# Altium PCB SysUprTestUUUp.PcbDoc (part 1 of 4) (continued)
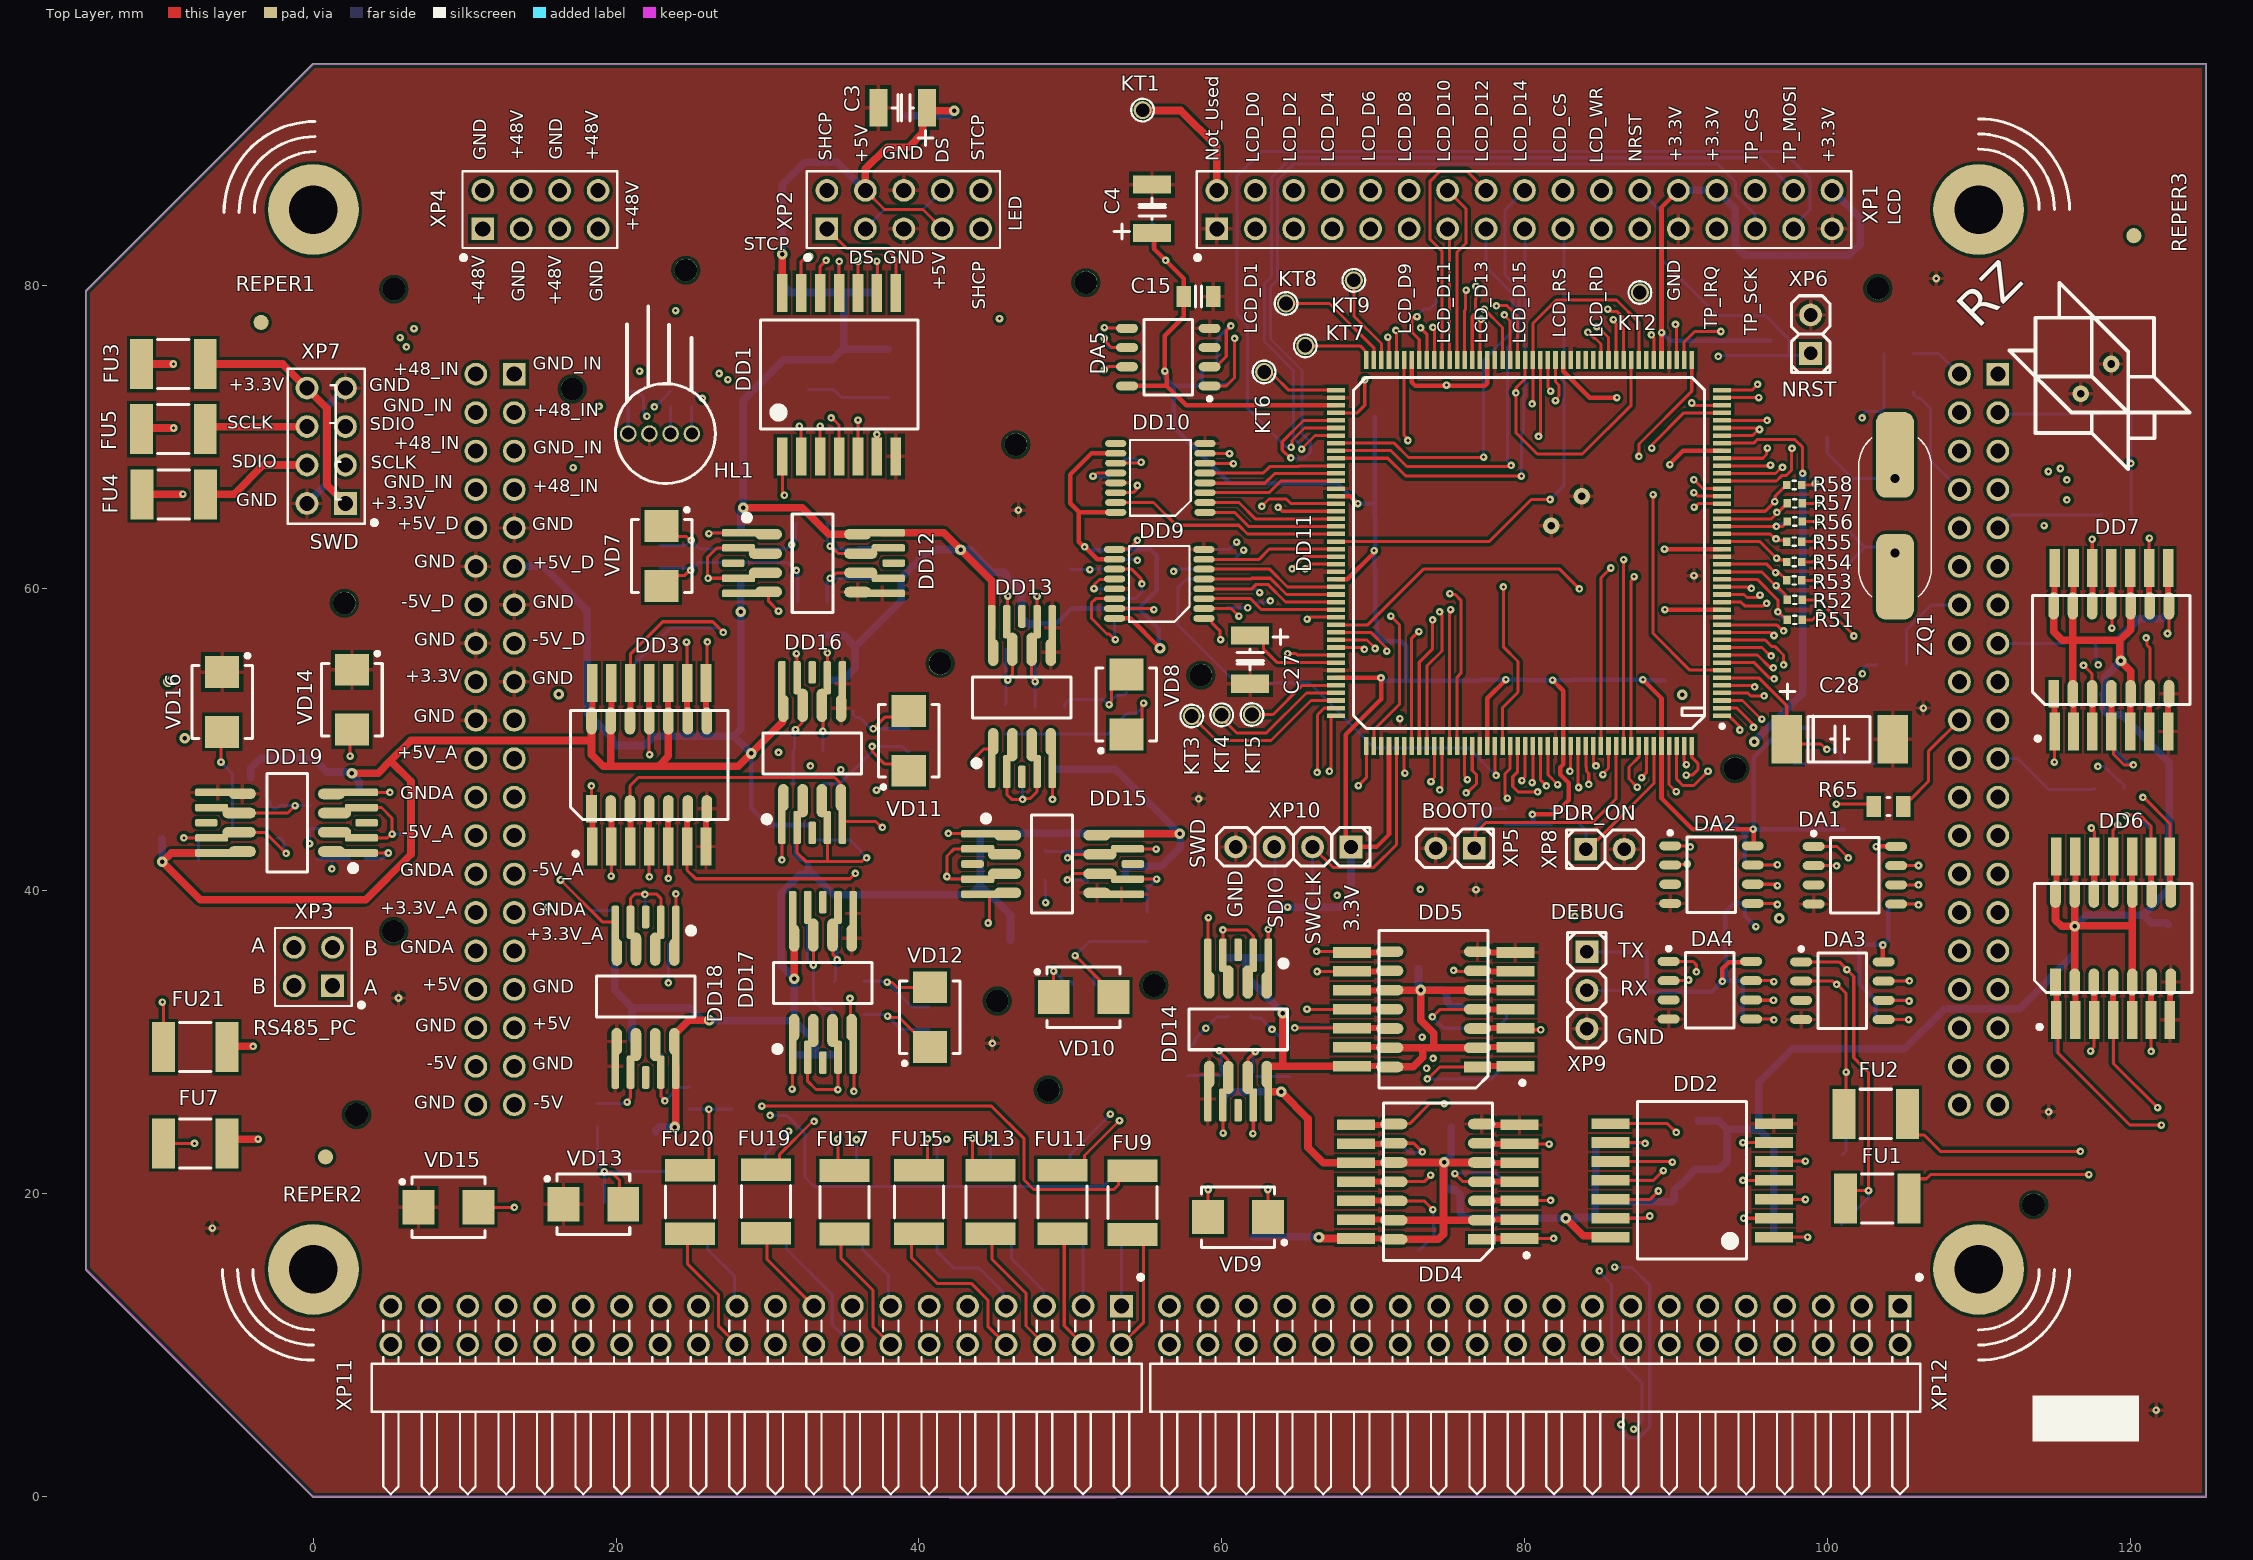
[diagram p0: Top Layer view]
## Components (designator, comment, footprint, x,y, rotation, side; value= is the part's Value field where it differs from the comment) (continued)
FU4 "Predoxranitel" MF-MSMF_1 -9.225,66.192 r0 top
FU5 "Predoxranitel" MF-MSMF_1 -9.25,70.496 r0 top
FU6 "Predoxranitel" MF-MSMF_1 24.875,19.479 r270 bottom
FU7 "Predoxranitel" MF-MSMF_1 -7.8,23.323 r0 top
FU8 "Predoxranitel" MF-MSMF_1 54.104,19.4 r270 bottom
FU9 "Predoxranitel" MF-MSMF_1 54.104,19.404 r270 top
FU10 "Predoxranitel" MF-MSMF_1 49.475,19.45 r270 bottom
FU11 "Predoxranitel" MF-MSMF_1 49.475,19.45 r270 top
FU12 "Predoxranitel" MF-MSMF_1 44.725,19.45 r270 bottom
FU13 "Predoxranitel" MF-MSMF_1 44.725,19.45 r270 top
FU14 "Predoxranitel" MF-MSMF_1 40,19.45 r270 bottom
FU15 "Predoxranitel" MF-MSMF_1 40,19.45 r270 top
FU16 "Predoxranitel" MF-MSMF_1 35.075,19.429 r270 bottom
FU17 "Predoxranitel" MF-MSMF_1 35.075,19.429 r270 top
FU18 "Predoxranitel" MF-MSMF_1 29.925,19.475 r270 bottom
FU19 "Predoxranitel" MF-MSMF_1 29.9,19.475 r270 top
FU20 "Predoxranitel" MF-MSMF_1 24.875,19.454 r270 top
FU21 "Predoxranitel" MF-MSMF_1 -7.8,29.675 r0 top
HL1 "LED-RGB_C" BL-L515 25,70.2 r180 top
KT1 "Kont" TESTPOINT 54.775,91.575 r0 top
KT2 "Kont" TESTPOINT 87.625,79.525 r90 top
KT3 "Kont" TESTPOINT 58.025,51.55 r90 top
KT4 "Kont" TESTPOINT 60,51.625 r90 top
KT5 "Kont" TESTPOINT 62,51.65 r90 top
KT6 "Kont" TESTPOINT 62.8,74.275 r90 top
KT7 "Kont" TESTPOINT 65.525,76 r90 top
KT8 "Kont" TESTPOINT 64.25,78.8 r90 top
KT9 "Kont" TESTPOINT 68.725,80.325 r90 top
R1 "Resistor0062" Res0402 104.55,41.675 r90 bottom value=1к
R2 "Resistor0062" Res0402 104.525,39.15 r90 bottom value=1к
R3 "Resistor0062" Res0402 95.05,41.7 r90 bottom value=1к
R4 "Resistor0062" Res0402 95.05,39.175 r90 bottom value=1к
R5 "Resistor0062" Res0402 104.55,40.4 r90 bottom value=1к
R6 "Resistor0062" Res0402 95.05,40.45 r90 bottom value=1к
R7 "Resistor0062" Res0402 18.425,42.45 r180 bottom value=10к
R8 "Resistor0062" Res0402 22.2,42.4 r0 bottom value=10к
R9 "Resistor0062" Res0402 37.225,80.025 r180 bottom value=10к
R10 "Resistor0062" Res0402 34.7,80.025 r180 bottom value=10к
R11 "Resistor0062" Res0402 32.225,80.025 r180 bottom value=10к
R12 "Resistor0062" Res0402 96.975,17.125 r90 bottom value=10к
R13 "Resistor0062" Res0402 96.975,19.625 r90 bottom value=10к
R14 "Resistor0062" Res0402 96.975,22.125 r90 bottom value=10к
R15 "Resistor0062" Res0402 85.2,23.45 r90 bottom value=10к
R16 "Resistor0062" Res0402 85.175,20.9 r90 bottom value=10к
R17 "Resistor0062" Res0402 85.25,18.425 r90 bottom value=10к
R18 "Resistor0062" Res0402 19.675,42.425 r0 bottom value=10к
R19 "Resistor0062" Res0402 23.5,42.425 r0 bottom value=10к
R20 "Resistor0062" Res0402 24.7,54.225 r180 bottom value=100к
R21 "Resistor0062" Res0402 20.95,54.225 r180 bottom value=100к
R22 "Resistor0062" Res0402 103.675,34.05 r90 bottom value=1к
R23 "Resistor0062" Res0402 103.675,31.5 r90 bottom value=1к
R24 "Resistor0062" Res0402 94.925,34.075 r90 bottom value=1к
R25 "Resistor0062" Res0402 94.925,31.525 r90 bottom value=1к
R26 "Resistor0062" Res0402 103.7,32.775 r90 bottom value=1к
R27 "Resistor0062" Res0402 94.925,32.8 r90 bottom value=1к
R28 "Resistor0062" Res0402 59.175,73.35 r270 bottom value=10к
R29 "Resistor0062" Res0402 59.175,74.625 r270 bottom value=10к
R30 "Resistor0062" Res0402 80.15,17.05 r90 bottom value=100к
R31 "Resistor0062" Res0402 80.125,20.825 r270 bottom value=100к
R32 "Resistor0062" Res0402 70.725,23.275 r90 bottom value=100к
R33 "Resistor0062" Res0402 72.55,16.275 r90 bottom value=100к
R34 "Resistor0062" Res0402 79.7,28.425 r270 bottom value=100к
R35 "Resistor0062" Res0402 79.3,32.175 r270 bottom value=100к
R36 "Resistor0062" Res0402 68.1,34.675 r270 bottom value=100к
R37 "Resistor0062" Res0402 68.075,30.925 r270 bottom value=100к
R38 "Resistor0062" Res0402 53.775,74.625 r270 bottom value=1к
R39 "Resistor0062" Res0402 53.775,77.175 r270 bottom value=1к
R40 "Resistor0062" Res0402 53.775,75.9 r270 bottom value=1к
R41 "Resistor0062" Res0402 115.125,30.975 r0 bottom value=100к
R42 "Resistor0062" Res0402 118.875,30.975 r0 bottom value=100к
R43 "Resistor0062" Res0402 121.375,42.775 r180 bottom value=100к
R44 "Resistor0062" Res0402 117.6,42.775 r180 bottom value=100к
R45 "Resistor0062" Res0402 115,50.025 r0 bottom value=100к
R46 "Resistor0062" Res0402 118.775,50.025 r0 bottom value=100к
R47 "Resistor0062" Res0402 121.275,61.825 r180 bottom value=100к
R48 "Resistor0062" Res0402 117.5,61.85 r180 bottom value=100к
R49 "Resistor0062" Res0402 78.775,44.925 r180 bottom value=10к
R50 "Resistor0062" Res0402 96.225,75.85 r180 bottom value=10к
R51 "Resistor0062" Res0402 97.85,57.9 r270 top value=100к
R52 "Resistor0062" Res0402 97.85,59.225 r270 top value=100к
R53 "Resistor0062" Res0402 97.827,60.509 r270 top value=100к
R54 "Resistor0062" Res0402 97.825,61.725 r270 top value=100к
R55 "Resistor0062" Res0402 97.825,63.062 r270 top value=100к
R56 "Resistor0062" Res0402 97.85,64.396 r270 top value=100к
R57 "Resistor0062" Res0402 97.85,65.6 r270 top value=100к
R58 "Resistor0062" Res0402 97.825,66.809 r270 top value=100к
R59 "Resistor0125" Res0805 104.725,75.5 r270 bottom value=120
R60 "Resistor0125" Res0805 119.075,71.5 r90 bottom value=120
R61 "Resistor0125" Res0805 104.725,73 r270 bottom value=120
R62 "Resistor0125" Res0805 119.2,64.85 r90 bottom value=120
R63 "Resistor0125" Res0805 104.25,54.975 r270 bottom value=120
R64 "Resistor0125" Res0805 116.65,56.325 r90 bottom value=120
R65 "Resistor0125" Res0805 104.05,45.575 r90 top value=120
R66 "Resistor0125" Res0805 118.625,46.75 r90 bottom value=120
R67 "Resistor0062" Res0402 97.85,57.9 r270 bottom value=10к
R68 "Resistor0062" Res0402 97.85,59.225 r270 bottom value=10к
R69 "Resistor0062" Res0402 97.825,60.521 r270 bottom value=10к
R70 "Resistor0062" Res0402 97.825,61.725 r270 bottom value=10к
R71 "Resistor0062" Res0402 97.825,63.066 r270 bottom value=10к
R72 "Resistor0062" Res0402 97.85,64.396 r270 bottom value=10к
R73 "Resistor0062" Res0402 97.85,65.6 r270 bottom value=10к
R74 "Resistor0062" Res0402 97.825,66.804 r270 bottom value=10к
R75 "Resistor0062" Res0402 50.1,60.75 r0 bottom value=10к
R76 "Resistor0062" Res0402 53.05,68.529 r270 bottom value=10к
R77 "Resistor0062" Res0402 53.05,67.325 r90 bottom value=10к
R78 "Resistor0125" Res0805 100.975,65.65 r180 bottom value=10М
R79 "Resistor0062" Res0402 81.725,44.9 r0 bottom value=10к
R80 "Resistor0062" Res0402 27.75,63.675 r90 bottom value=10к
R81 "Resistor0062" Res0402 27.725,60.65 r90 bottom value=10к
R82 "Resistor0062" Res0402 48.825,47.525 r180 bottom value=10к
R83 "Resistor0062" Res0402 46.85,47.55 r180 bottom value=10к
R84 "Resistor0062" Res0402 63.075,36.075 r0 bottom value=10к
R85 "Resistor0062" Res0402 60.075,36.075 r0 bottom value=10к
R86 "Resistor0062" Res0402 43.55,43.8 r90 bottom value=10к
R87 "Resistor0062" Res0402 43.55,40.8 r90 bottom value=10к
R88 "Resistor0062" Res0402 30.875,43.85 r180 bottom value=10к
R89 "Resistor0062" Res0402 32.825,43.85 r180 bottom value=10к
R90 "Resistor0062" Res0402 31.65,28.675 r180 bottom value=10к
R91 "Resistor0062" Res0402 34.65,28.675 r180 bottom value=10к
R92 "Resistor0062" Res0402 22.95,36.425 r270 bottom value=6,8к
R93 "Resistor0062" Res0402 -0.225,42.075 r270 bottom value=6,8к
R94 "Resistor0062" Res0402 23.6,72.5 r180 bottom value=1к
R95 "Resistor0062" Res0402 23.95,38.25 r0 bottom value=3,3к
R96 "Resistor0062" Res0402 2.9,42.121 r270 bottom value=3,3к
R97 "Resistor0062" Res0402 21.9,38.275 r0 bottom value=10к
R98 "Resistor0062" Res0402 6.125,44.25 r180 bottom value=10к
R99 "Resistor0062" Res0402 24.975,72.5 r180 bottom value=1к
R100 "Resistor0062" Res0402 20.8,72.5 r180 bottom value=1к
R101 "Resistor01" Res0603 19.9,37.95 r0 bottom value=10к
R102 "Resistor0062" Res0402 3.525,46.5 r90 bottom value=10к
R103 "Resistor0062" Res0402 23.025,29.704 r0 bottom value=10к
R104 "Resistor0062" Res0402 -7.075,42.05 r270 bottom value=10к
R105 "Resistor0062" Res0402 38.325,60.65 r90 bottom value=10к
R106 "Resistor0062" Res0402 47.775,58.125 r0 bottom value=10к
R107 "Resistor0062" Res0402 60.075,25.5 r180 bottom value=10к
R108 "Resistor0062" Res0402 54.125,40.775 r270 bottom value=10к
R109 "Resistor0062" Res0402 33.975,54.425 r0 bottom value=10к
R110 "Resistor0062" Res0402 34.65,39.25 r180 bottom value=10к
R111 "Resistor0125" Res0805 35.925,61.6 r180 bottom value=120
R112 "Resistor0125" Res0805 46.725,55.971 r270 bottom value=120
R113 "Resistor0125" Res0805 61.1,28 r90 bottom value=120
R114 "Resistor0125" Res0805 51.175,41.625 r180 bottom value=120
R115 "Resistor0125" Res0805 32.675,49.279 r270 bottom value=120
R116 "Resistor0125" Res0805 33.625,36.8 r270 bottom value=120
R117 "Resistor0062" Res0402 38.325,62.675 r90 bottom value=10к
R118 "Resistor0062" Res0402 45.775,58.125 r0 bottom value=10к
R119 "Resistor0062" Res0402 62.125,25.5 r180 bottom value=10к
R120 "Resistor0062" Res0402 54.125,42.75 r270 bottom value=10к
R121 "Resistor0062" Res0402 31.875,54.425 r0 bottom value=10к
R122 "Resistor0062" Res0402 32.625,39.25 r180 bottom value=10к
R123 "Resistor0125" Res0805 21.925,27.55 r270 bottom value=120
R124 "Resistor01" Res0603 24.825,26.325 r0 bottom value=10
R125 "Resistor0125" Res0805 -2.416,44.475 r180 bottom value=120
R126 "Resistor01" Res0603 -6.725,43.525 r90 bottom value=10
R127 "Resistor01" Res0603 18.775,25.2 r0 bottom value=10
R128 "Resistor01" Res0603 -0.175,44.875 r0 bottom value=10
R129 "Resistor0125" Res0805 32.971,59.075 r90 bottom value=22
R130 "Resistor0125" Res0805 32.925,64.3 r90 bottom value=22
R131 "Resistor0125" Res0805 48.65,52.1 r270 bottom value=22
R132 "Resistor0125" Res0805 45.675,51.325 r180 bottom value=22
R133 "Resistor0125" Res0805 57.775,28.775 r0 bottom value=22
R134 "Resistor0125" Res0805 64.475,28.725 r0 bottom value=22
R135 "Resistor0125" Res0805 55.075,37.625 r180 bottom value=22
R136 "Resistor0125" Res0805 48.325,41.675 r180 bottom value=22
R137 "Resistor0125" Res0805 34.675,51.9 r270 bottom value=22
R138 "Resistor0125" Res0805 32.675,47.075 r270 bottom value=22
R139 "Resistor0125" Res0805 35.4,34.029 r270 bottom value=22
R140 "Resistor0125" Res0805 35.4,31.825 r270 bottom value=22
R141 "Resistor0062" Res0402 21.05,29.725 r180 bottom value=10к
R142 "Resistor0062" Res0402 -3.625,47.475 r270 bottom value=10к
R143 "Resistor0062" Res0402 87.575,33.425 r270 bottom value=10к
R144 "Resistor0062" Res0402 63.525,39.425 r180 bottom value=10к
R145 "Resistor0062" Res0402 87.575,35.97 r270 bottom value=10к
R146 "Resistor0062" Res0402 66,39.425 r180 bottom value=10к
REPER1 "Comment" REPER1 -3.45,77.55 r0 top
REPER2 "Comment" REPER1 0.8,22.425 r0 top
REPER3 "Comment" REPER1 120.25,83.275 r0 top
REPER4 "Comment" REPER1 -3.45,77.55 r180 bottom
REPER5 "Comment" REPER1 0.8,22.425 r180 bottom
REPER6 "Comment" REPER1 120.25,83.275 r180 bottom
VD1 "DiodZachitnuy" "SMB_(DO-214AA) KA1-KA2" 102.925,17.966 r180 bottom value=SMBJ5.0CA
VD2 "DiodZachitnuy" "SMB_(DO-214AA) KA1-KA2" 102.95,22.571 r180 bottom value=SMBJ5.0CA
VD3 "DiodZachitnuy" "SMB_(DO-214AA) KA1-KA2" -9.1,70.6 r180 bottom value=SMBJ5.0CA
VD4 "DiodZachitnuy" "SMB_(DO-214AA) KA1-KA2" -9.075,65.996 r180 bottom value=SMBJ5.0CA
VD5 "DiodZachitnuy" "SMB_(DO-214AA) KA1-KA2" -9.125,75.204 r0 bottom value=SMBJ5.0CA
VD6 "Diod2K" "SOT23 2D706AS9" 98.8,49.575 r180 bottom
VD7 "DiodZachitnuy" "SMB_(DO-214AA) KA1-KA2" 23,62.116 r270 top value=SMBJ12.0CA
VD8 "DiodZachitnuy" "SMB_(DO-214AA) KA1-KA2" 53.7,52.308 r90 top value=SMBJ12.0CA
VD9 "DiodZachitnuy" "SMB_(DO-214AA) KA1-KA2" 61.079,18.446 r180 top value=SMBJ12.0CA
VD10 "DiodZachitnuy" "SMB_(DO-214AA) KA1-KA2" 50.875,32.975 r0 top value=SMBJ12.0CA
VD11 "DiodZachitnuy" "SMB_(DO-214AA) KA1-KA2" 39.329,49.909 r90 top value=SMBJ12.0CA
VD12 "DiodZachitnuy" "SMB_(DO-214AA) KA1-KA2" 40.729,31.654 r90 top value=SMBJ12.0CA
VD13 "DiodZachitnuy" "SMB_(DO-214AA) KA1-KA2" 18.5,19.3 r0 top value=SMBJ5.0CA
VD14 "DiodZachitnuy" "SMB_(DO-214AA) KA1-KA2" 2.55,52.625 r270 top value=SMBJ5.0CA
VD15 "DiodZachitnuy" "SMB_(DO-214AA) KA1-KA2" 8.925,19.1 r0 top value=SMBJ5.0CA
VD16 "DiodZachitnuy" "SMB_(DO-214AA) KA1-KA2" -6.025,52.475 r270 top value=SMBJ5.0CA
XP1 "ConnectorP34" PLD-34 80,85 r90 top value=34
XP2 "ConnectorP10" PLD-10 39,85 r90 top value=10
XP3 "ConnectorP4" PLD-4 0,35 r180 top value=4
XP4 "ConnectorP8" PLD-8 15,85 r90 top value=8
XP5 "ConnectorP2" PLS-2 75.418,42.815 r270 top value=2
XP6 "ConnectorP2" PLS-2 98.9,76.77 r180 top value=2
XP7 "ConnectorP8" PLD-8 0.85,69.4 r180 top value=8
XP8 "ConnectorP2" PLS-2 85.32,42.75 r90 top value=2
XP9 "ConnectorP3" PLS-3 84.125,33.43 r0 top value=3
XP10 "ConnectorP4" PLS-4 64.73,42.9 r270 top value=4
XP11 "ConnectorP40" PLD-40R 29.25,11.3 r270 top value=40
XP12 "ConnectorP40" PLD-40R 80.679,11.3 r270 top value=40
XS1 "ConnectorS40" PBD-40 12,50 r180 bottom value=40
XS2 "ConnectorS40" PBD-40 110,50 r180 bottom value=40
ZQ1 "Quartz" HC-49SM_U 104.475,64.775 r0 top value="8 МГц"

## Footprints (in the part's own frame and the unit in brackets; to place one, negate y for a bottom-side part, rotate by r counter-clockwise, add the part's x,y. Pads: shape width x height; smd on the part's side, far side on the other; paste and mask are expansions set on the pad)
401.14-5 [mm]
  rect 2.5x0.7 smd mask+0.05: 1(-5.4,3.75) 2(-5.4,2.5) 3(-5.4,1.25) 4(-5.4,0) 5(-5.4,-1.25) 6(-5.4,-2.5) 7(-5.4,-3.75) 8(5.4,-3.75) 9(5.4,-2.5) 10(5.4,-1.25) 11(5.4,0) 12(5.4,1.25) 13(5.4,2.5) 14(5.4,3.75)
  silkscreen extent -3.6,-5.2 3.6,5.2, body extent -6.65,-4.98 6.65,5.02, height 2.65
401.14-5_SO14#1 [mm]
  rect 2.5x0.7 smd: 1(-5.4,3.75) 2(-5.4,2.5) 3(-5.4,1.25) 4(-5.4,0) 5(-5.4,-1.25) 6(-5.4,-2.5) 7(-5.4,-3.75) 8(5.4,-3.75) 9(5.4,-2.5) 10(5.4,-1.25) 11(5.4,0) 12(5.4,1.25) 13(5.4,2.5) 14(5.4,3.75)
  rect 1.8x0.7 smd paste+0: 1(-2.9,3.81)
  oval 1.8x0.7 smd paste+0: 2(-2.9,2.54) 3(-2.9,1.27) 4(-2.9,0) 5(-2.9,-1.27) 6(-2.9,-2.54) 7(-2.9,-3.81) 8(2.9,-3.81) 9(2.9,-2.54) 10(2.9,-1.27) 11(2.9,0) 12(2.9,1.27) 13(2.9,2.54) 14(2.9,3.81)
  Top Layer lines w0.4: -5.4,3.75 -2.96,3.75 ; 2.96,3.75 5.4,3.75 ; -5.4,2.5 -3.424,2.5 -2.96,2.5 ; 2.96,2.5 5.4,2.5 ; -5.4,1.25 -2.96,1.25 ; 2.96,1.25 5.4,1.25 ; -5.4,0 -2.96,0 ; 2.96,0 5.4,0 ; -5.4,-1.25 -2.96,-1.25 ; 2.96,-1.25 5.4,-1.25 ; -5.4,-2.5 -2.96,-2.5 ; 2.96,-2.5 5.4,-2.5 ; -5.4,-3.75 -2.96,-3.75 ; 2.96,-3.75 5.4,-3.75
  silkscreen extent -5.99,-5.2 3.6,5.2, body extent -6.65,-4.98 6.65,5.02, height 2.65
401.14-5_SO14#2 [mm]
  rect 2.5x0.7 smd: 1(-5.4,3.75) 2(-5.4,2.5) 3(-5.4,1.25) 4(-5.4,0) 5(-5.4,-1.25) 6(-5.4,-2.5) 7(-5.4,-3.75) 8(5.4,-3.75) 9(5.4,-2.5) 10(5.4,-1.25) 11(5.4,0) 12(5.4,1.25) 13(5.4,2.5) 14(5.4,3.75)
  rect 1.8x0.7 smd paste+0: 1(-2.9,3.81)
  oval 1.8x0.7 smd paste+0: 2(-2.9,2.54) 3(-2.9,1.27) 4(-2.9,0) 5(-2.9,-1.27) 6(-2.9,-2.54) 7(-2.9,-3.81) 8(2.9,-3.81) 9(2.9,-2.54) 10(2.9,-1.27) 11(2.9,0) 12(2.9,1.27) 13(2.9,2.54) 14(2.9,3.81)
  Top Layer lines w0.4: 5.4,3.75 2.96,3.75 ; 5.4,2.5 2.96,2.5 ; 5.4,1.25 2.96,1.25 ; 5.4,0 2.96,0 ; 5.4,-1.25 2.96,-1.25 ; 5.4,-2.5 2.96,-2.5 ; 5.4,-3.75 2.96,-3.75 ; -2.96,3.75 -5.4,3.75 ; -2.96,2.5 -5.4,2.5 ; -2.96,1.25 -5.4,1.25 ; -2.96,0 -5.4,0 ; -2.96,-1.25 -5.4,-1.25 ; -2.96,-2.5 -5.4,-2.5 ; -2.96,-3.75 -5.4,-3.75
  silkscreen extent -5.99,-5.2 3.6,5.2, body extent -6.65,-4.98 6.65,5.02, height 2.65
BL-L515 [mm]
  round 1.1 hole 0.8: 1(0,0) 2(1.4,0) 3(2.8,0) 4(4.2,0)
  silkscreen extent -1.55,-3.3 5.05,3.3, body extent -1.27,-2.95 4.63,2.95, height 9.1
Cap0603 [mm] "Chip Capacitor, 2-Leads, Body 1,60x0,80mm, IPC Medium Density"
  rect 0.9x0.65 smd: 1(0,0.75) 2(0,-0.75)
  silkscreen extent -0.45,-0.2 0.45,0.2, body extent -0.4,-0.8 0.4,0.8, height 0.78
Cap0805 [mm] "Chip Capacitor, 2-Leads, Body 2,00x1,25mm, IPC Medium Density"
  rect 1.4x0.95 smd: 1(0,0.975) 2(0,-0.975)
  silkscreen extent -0.7,-0.2 0.7,0.2, body extent -0.62,-1 0.63,1, height 0.58
CapCaseB [mm]
  rect 2.5x1.2 smd: 1(0,1.6) 2(0,-1.6)
  silkscreen extent -2.5,-2 0.87,0.7, body extent -1.47,-1.85 1.46,1.85, height 2.03
CapCaseD [mm]
  rect 3.2x2 smd: 1(0,3.5) 2(0,-3.5)
  silkscreen extent -3.65,-3.95 1.5,2, body extent -2.3,-3.8 2.3,3.8, height 3.1
H02.8-1B_SOIC8 [mm]
  rrect50% 3x0.5 smd: 1(-4.55,1.9) 4(-4.55,-2.1) 5(4.55,-2.1) 8(4.55,1.9)
  oval 1.8x0.7 smd: 1(-2.975,1.8) 4(-2.975,-2) 5(2.925,-2.01) 8(2.925,1.8)
  rrect50% 2.2x0.5 smd: 2(-4.95,0.9) 3(-4.95,-1.1) 6(4.95,-1.1) 7(4.95,0.9)
  oval 2.2x0.7 smd: 2(-3.175,0.53) 3(-3.175,-0.74) 6(3.125,-0.74) 7(3.125,0.53)
  rrect50% 1.5x0.5 smd: 9(-5.3,-0.1) 10(5.3,-0.1)
  silkscreen extent -4.6,-3.35 1.3,3.15, body extent -6.01,-3.35 5.99,3.15, height 2.9
HC-49SM_U [mm]
  rrect50% 2.5x2.5 hole 0.6: 1(0,2.45) 2(0,-2.45)
  rrect50% 2.5x4.5 smd: 1(0,4.6) 2(0,-4.6)
  silkscreen extent -2.4,-5.34 2.4,5.14, body extent -2.5,-5.61 2.5,5.74, height 3.8
LQFP176 [mm] "LQFP176 H=1.6"
  rect 1.2x0.3 smd: 1(-12.75,10.75) 2(-12.75,10.25) 3(-12.75,9.75) 4(-12.75,9.25) 5(-12.75,8.75) 6(-12.75,8.25) 7(-12.75,7.75) 8(-12.75,7.25) 9(-12.75,6.75) 10(-12.75,6.25) 11(-12.75,5.75) 12(-12.75,5.25) 13(-12.75,4.75) 14(-12.75,4.25) 15(-12.75,3.75) 16(-12.75,3.25) 17(-12.75,2.75) 18(-12.75,2.25) 19(-12.75,1.75) 20(-12.75,1.25) 21(-12.75,0.75) 22(-12.75,0.25) 23(-12.75,-0.25) 24(-12.75,-0.75) 25(-12.75,-1.25) 26(-12.75,-1.75) 27(-12.75,-2.25) 28(-12.75,-2.75) 29(-12.75,-3.25) 30(-12.75,-3.75) 31(-12.75,-4.25) 32(-12.75,-4.75) 33(-12.75,-5.25) 34(-12.75,-5.75) 35(-12.75,-6.25) 36(-12.75,-6.75) 37(-12.75,-7.25) 38(-12.75,-7.75) 39(-12.75,-8.25) 40(-12.75,-8.75) 41(-12.75,-9.25) 42(-12.75,-9.75) 43(-12.75,-10.25) 44(-12.75,-10.75) 89(12.75,-10.75) 90(12.75,-10.25) 91(12.75,-9.75) 92(12.75,-9.25) 93(12.75,-8.75) 94(12.75,-8.25) 95(12.75,-7.75) 96(12.75,-7.25) 97(12.75,-6.75) 98(12.75,-6.25) 99(12.75,-5.75) 100(12.75,-5.25) 101(12.75,-4.75) 102(12.75,-4.25) 103(12.75,-3.75) 104(12.75,-3.25) 105(12.75,-2.75) 106(12.75,-2.25) 107(12.75,-1.75) 108(12.75,-1.25) 109(12.75,-0.75) 110(12.75,-0.25) 111(12.75,0.25) 112(12.75,0.75) 113(12.75,1.25) 114(12.75,1.75) 115(12.75,2.25) 116(12.75,2.75) 117(12.75,3.25) 118(12.75,3.75) 119(12.75,4.25) 120(12.75,4.75) 121(12.75,5.25) 122(12.75,5.75) 123(12.75,6.25) 124(12.75,6.75) 125(12.75,7.25) 126(12.75,7.75) 127(12.75,8.25) 128(12.75,8.75) 129(12.75,9.25) 130(12.75,9.75) 131(12.75,10.25) 132(12.75,10.75)
  rect 0.3x1.2 smd: 45(-10.75,-12.75) 46(-10.25,-12.75) 47(-9.75,-12.75) 48(-9.25,-12.75) 49(-8.75,-12.75) 50(-8.25,-12.75) 51(-7.75,-12.75) 52(-7.25,-12.75) 53(-6.75,-12.75) 54(-6.25,-12.75) 55(-5.75,-12.75) 56(-5.25,-12.75) 57(-4.75,-12.75) 58(-4.25,-12.75) 59(-3.75,-12.75) 60(-3.25,-12.75) 61(-2.75,-12.75) 62(-2.25,-12.75) 63(-1.75,-12.75) 64(-1.25,-12.75) 65(-0.75,-12.75) 66(-0.25,-12.75) 67(0.25,-12.75) 68(0.75,-12.75) 69(1.25,-12.75) 70(1.75,-12.75) 71(2.25,-12.75) 72(2.75,-12.75) 73(3.25,-12.75) 74(3.75,-12.75) 75(4.25,-12.75) 76(4.75,-12.75) 77(5.25,-12.75) 78(5.75,-12.75) 79(6.25,-12.75) 80(6.75,-12.75) 81(7.25,-12.75) 82(7.75,-12.75) 83(8.25,-12.75) 84(8.75,-12.75) 85(9.25,-12.75) 86(9.75,-12.75) 87(10.25,-12.75) 88(10.75,-12.75) 133(10.75,12.75) 134(10.25,12.75) 135(9.75,12.75) 136(9.25,12.75) 137(8.75,12.75) 138(8.25,12.75) 139(7.75,12.75) 140(7.25,12.75) 141(6.75,12.75) 142(6.25,12.75) 143(5.75,12.75) 144(5.25,12.75) 145(4.75,12.75) 146(4.25,12.75) 147(3.75,12.75) 148(3.25,12.75) 149(2.75,12.75) 150(2.25,12.75) 151(1.75,12.75) 152(1.25,12.75) 153(0.75,12.75) 154(0.25,12.75) 155(-0.25,12.75) 156(-0.75,12.75) 157(-1.25,12.75) 158(-1.75,12.75) 159(-2.25,12.75) 160(-2.75,12.75) 161(-3.25,12.75) 162(-3.75,12.75) 163(-4.25,12.75) 164(-4.75,12.75) 165(-5.25,12.75) 166(-5.75,12.75) 167(-6.25,12.75) 168(-6.75,12.75) 169(-7.25,12.75) 170(-7.75,12.75) 171(-8.25,12.75) 172(-8.75,12.75) 173(-9.25,12.75) 174(-9.75,12.75) 175(-10.25,12.75) 176(-10.75,12.75)
  silkscreen extent -12.88,-11.6 11.6,11.6, body extent -13.05,-13.05 13.05,13.05, height 1.45
MF-MSMF_1 [mm]
  rect 1.5x3.3 smd: 1(-2.1,0) 2(2.1,0)
  silkscreen extent -1.05,-1.62 1.05,1.62, body extent -2.36,-1.71 2.36,1.71, height 0.3
PBD-40 [mm]
  rect 1.5x1.5 hole 1 mask+0: 1(-1.27,24.13)
  round 1.5 hole 1 mask+0: 2(1.27,24.13) 3(-1.27,21.59) 4(1.27,21.59) 5(-1.27,19.05) 6(1.27,19.05) 7(-1.27,16.51) 8(1.27,16.51) 9(-1.27,13.97) 10(1.27,13.97) 11(-1.27,11.43) 12(1.27,11.43) 13(-1.27,8.89) 14(1.27,8.89) 15(-1.27,6.35) 16(1.27,6.35) 17(-1.27,3.81) 18(1.27,3.81) 19(-1.27,1.27) 20(1.27,1.27) 21(-1.27,-1.27) 22(1.27,-1.27) 23(-1.27,-3.81) 24(1.27,-3.81) 25(-1.27,-6.35) 26(1.27,-6.35) 27(-1.27,-8.89) 28(1.27,-8.89) 29(-1.27,-11.43) 30(1.27,-11.43) 31(-1.27,-13.97) 32(1.27,-13.97) 33(-1.27,-16.51) 34(1.27,-16.51) 35(-1.27,-19.05) 36(1.27,-19.05) 37(-1.27,-21.59) 38(1.27,-21.59) 39(-1.27,-24.13) 40(1.27,-24.13)
  silkscreen extent -3.32,-25.4 2.54,25.55, body extent -2.54,-25.4 2.54,25.4, height 8.4
PLD-4 [mm]
  rect 1.5x1.5 hole 1 mask+0: 1(-1.27,1.27)
  round 1.5 hole 1 mask+0: 2(1.27,1.27) 3(-1.27,-1.27) 4(1.27,-1.27)
  silkscreen extent -3.32,-2.54 2.54,2.69, body extent -2.5,-2.54 2.5,2.54, height 8.5
PLD-8 [mm]
  rect 1.5x1.5 hole 1 mask+0: 1(-1.27,3.81)
  round 1.5 hole 1 mask+0: 2(1.27,3.81) 3(-1.27,1.27) 4(1.27,1.27) 5(-1.27,-1.27) 6(1.27,-1.27) 7(-1.27,-3.81) 8(1.27,-3.81)
  silkscreen extent -3.32,-5.08 2.54,5.23, body extent -2.5,-5.08 2.5,5.08, height 8.5
PLD-10 [mm]
  rect 1.5x1.5 hole 1 mask+0: 1(-1.27,5.08)
  round 1.5 hole 1 mask+0: 2(1.27,5.08) 3(-1.27,2.54) 4(1.27,2.54) 5(-1.27,0) 6(1.27,0) 7(-1.27,-2.54) 8(1.27,-2.54) 9(-1.27,-5.08) 10(1.27,-5.08)
  silkscreen extent -3.32,-6.35 2.54,6.5, body extent -2.5,-6.35 2.5,6.35, height 8.5
PLD-34 [mm]
  rect 1.5x1.5 hole 1 mask+0: 1(-1.27,20.32)
  round 1.5 hole 1 mask+0: 2(1.27,20.32) 3(-1.27,17.78) 4(1.27,17.78) 5(-1.27,15.24) 6(1.27,15.24) 7(-1.27,12.7) 8(1.27,12.7) 9(-1.27,10.16) 10(1.27,10.16) 11(-1.27,7.62) 12(1.27,7.62) 13(-1.27,5.08) 14(1.27,5.08) 15(-1.27,2.54) 16(1.27,2.54) 17(-1.27,0) 18(1.27,0) 19(-1.27,-2.54) 20(1.27,-2.54) 21(-1.27,-5.08) 22(1.27,-5.08) 23(-1.27,-7.62) 24(1.27,-7.62) 25(-1.27,-10.16) 26(1.27,-10.16) 27(-1.27,-12.7) 28(1.27,-12.7) 29(-1.27,-15.24) 30(1.27,-15.24) 31(-1.27,-17.78) 32(1.27,-17.78) 33(-1.27,-20.32) 34(1.27,-20.32)
  silkscreen extent -3.32,-21.59 2.54,21.74, body extent -2.5,-21.59 2.5,21.59, height 8.5
PLD-40R [mm]
  rect 1.5x1.5 hole 1 mask+0: 1(-1.27,24.13)
  round 1.5 hole 1 mask+0: 2(1.27,24.13) 3(-1.27,21.59) 4(1.27,21.59) 5(-1.27,19.05) 6(1.27,19.05) 7(-1.27,16.51) 8(1.27,16.51) 9(-1.27,13.97) 10(1.27,13.97) 11(-1.27,11.43) 12(1.27,11.43) 13(-1.27,8.89) 14(1.27,8.89) 15(-1.27,6.35) 16(1.27,6.35) 17(-1.27,3.81) 18(1.27,3.81) 19(-1.27,1.27) 20(1.27,1.27) 21(-1.27,-1.27) 22(1.27,-1.27) 23(-1.27,-3.81) 24(1.27,-3.81) 25(-1.27,-6.35) 26(1.27,-6.35) 27(-1.27,-8.89) 28(1.27,-8.89) 29(-1.27,-11.43) 30(1.27,-11.43) 31(-1.27,-13.97) 32(1.27,-13.97) 33(-1.27,-16.51) 34(1.27,-16.51) 35(-1.27,-19.05) 36(1.27,-19.05) 37(-1.27,-21.59) 38(1.27,-21.59) 39(-1.27,-24.13) 40(1.27,-24.13)
  silkscreen extent -3.32,-25.4 11.16,25.55, body extent -1.61,-25.4 11.43,25.4, height 5.15
PLS-2 [mm]
  rect 1.5x1.5 hole 0.9: 1(0,1.27)
  round 1.5 hole 0.9: 2(0,-1.27)
  silkscreen extent -1.27,-2.54 1.27,2.54, body extent -1.27,-2.54 1.27,2.54, height 8.44
PLS-3 [mm]
  rect 1.5x1.5 hole 0.9: 1(0,2.54)
  round 1.5 hole 0.9: 2(0,0) 3(0,-2.54)
  silkscreen extent -1.27,-3.81 1.27,3.81, body extent -1.27,-3.81 1.27,3.81, height 8.44
PLS-4 [mm]
  rect 1.5x1.5 hole 0.9: 1(0,3.81)
  round 1.5 hole 0.9: 2(0,1.27) 3(0,-1.27) 4(0,-3.81)
  silkscreen extent -1.27,-5.08 1.27,5.08, body extent -1.27,-5.08 1.27,5.08, height 8.44
REPER1 [mm] "Diameter = 1mm"
  round 1 smd mask+0.5: REPER1(0,0)
Res0402 [mm] "Chip Resistor, 2-Leads, Body 1,00x0,50mm, IPC Medium Density"
  rect 0.55x0.5 smd: 1(0,0.5) 2(0,-0.5)
  silkscreen extent -0.28,-0.1 0.27,0.1, body extent -0.25,-0.5 0.25,0.5, height 0.4
Res0603 [mm] "Chip Resistor, 2-Leads, Body 1,60x0,80mm, IPC Medium Density"
  rect 0.9x0.65 smd: 1(0,0.75) 2(0,-0.75)
  silkscreen extent -0.35,-0.05 0.35,0.05, body extent -0.4,-0.8 0.4,0.8, height 0.5
Res0805 [mm] "Chip Resistor, 2-Leads, Body 2,00x1,25mm, IPC Medium Density"
  rect 1.4x0.95 smd: 1(0,0.975) 2(0,-0.975)
  silkscreen extent -0.6,-0.1 0.6,0.1, body extent -0.63,-1 0.63,1, height 0.43
"SMB_(DO-214AA) KA1-KA2" [mm] "SODFL, 2-Leads, Body 3,63x5,34mm, IPC Medium Density"
  rect 2.1x2.25 smd: KA1(-1.975,0) KA2(1.975,0)
  silkscreen extent -3.17,-2 2.4,2, body extent -2.65,-1.8 2.65,1.8, height 2.44
SO8 [mm]
  oval 1.45x0.6 smd: 1(-2.725,1.905) 2(-2.725,0.635) 3(-2.725,-0.635) 4(-2.725,-1.905) 5(2.725,-1.905) 6(2.725,-0.635) 7(2.725,0.635) 8(2.725,1.905)
  silkscreen extent -2.85,-2.5 1.6,2.88, body extent -3,-2.5 3,2.5, height 1.75
"SOT23 2D706AS9" [mm]
  rect 0.6x1 smd: A(0,1.2) K1(-0.95,-1.2) K2(0.95,-1.2)
  silkscreen extent -1.93,-1.32 1.5,0.7, body extent -1.45,-1.4 1.45,1.4, height 1.3
TESTPOINT [mm]
  round 1.2 hole 0.9: 1(0,0)
  silkscreen extent -0.75,-0.75 0.75,0.75
TSSOP16 [mm] "Chip Inductor, 2-Leads, Body 1,00x0,50mm, IPC Medium Density"
  oval 1.4x0.45 smd: 1(-2.95,2.275) 2(-2.95,1.625) 3(-2.95,0.975) 4(-2.95,0.325) 5(-2.95,-0.325) 6(-2.95,-0.975) 7(-2.95,-1.625) 8(-2.95,-2.275) 9(2.95,-2.275) 10(2.95,-1.625) 11(2.95,-0.975) 12(2.95,-0.325) 13(2.95,0.325) 14(2.95,0.975) 15(2.95,1.625) 16(2.95,2.275)
  silkscreen extent -2,-2.5 2,2.5, body extent -3.23,-2.55 3.23,2.55, height 1.25
